# Allegro board MB1219_REVB_160112.brd (continued)
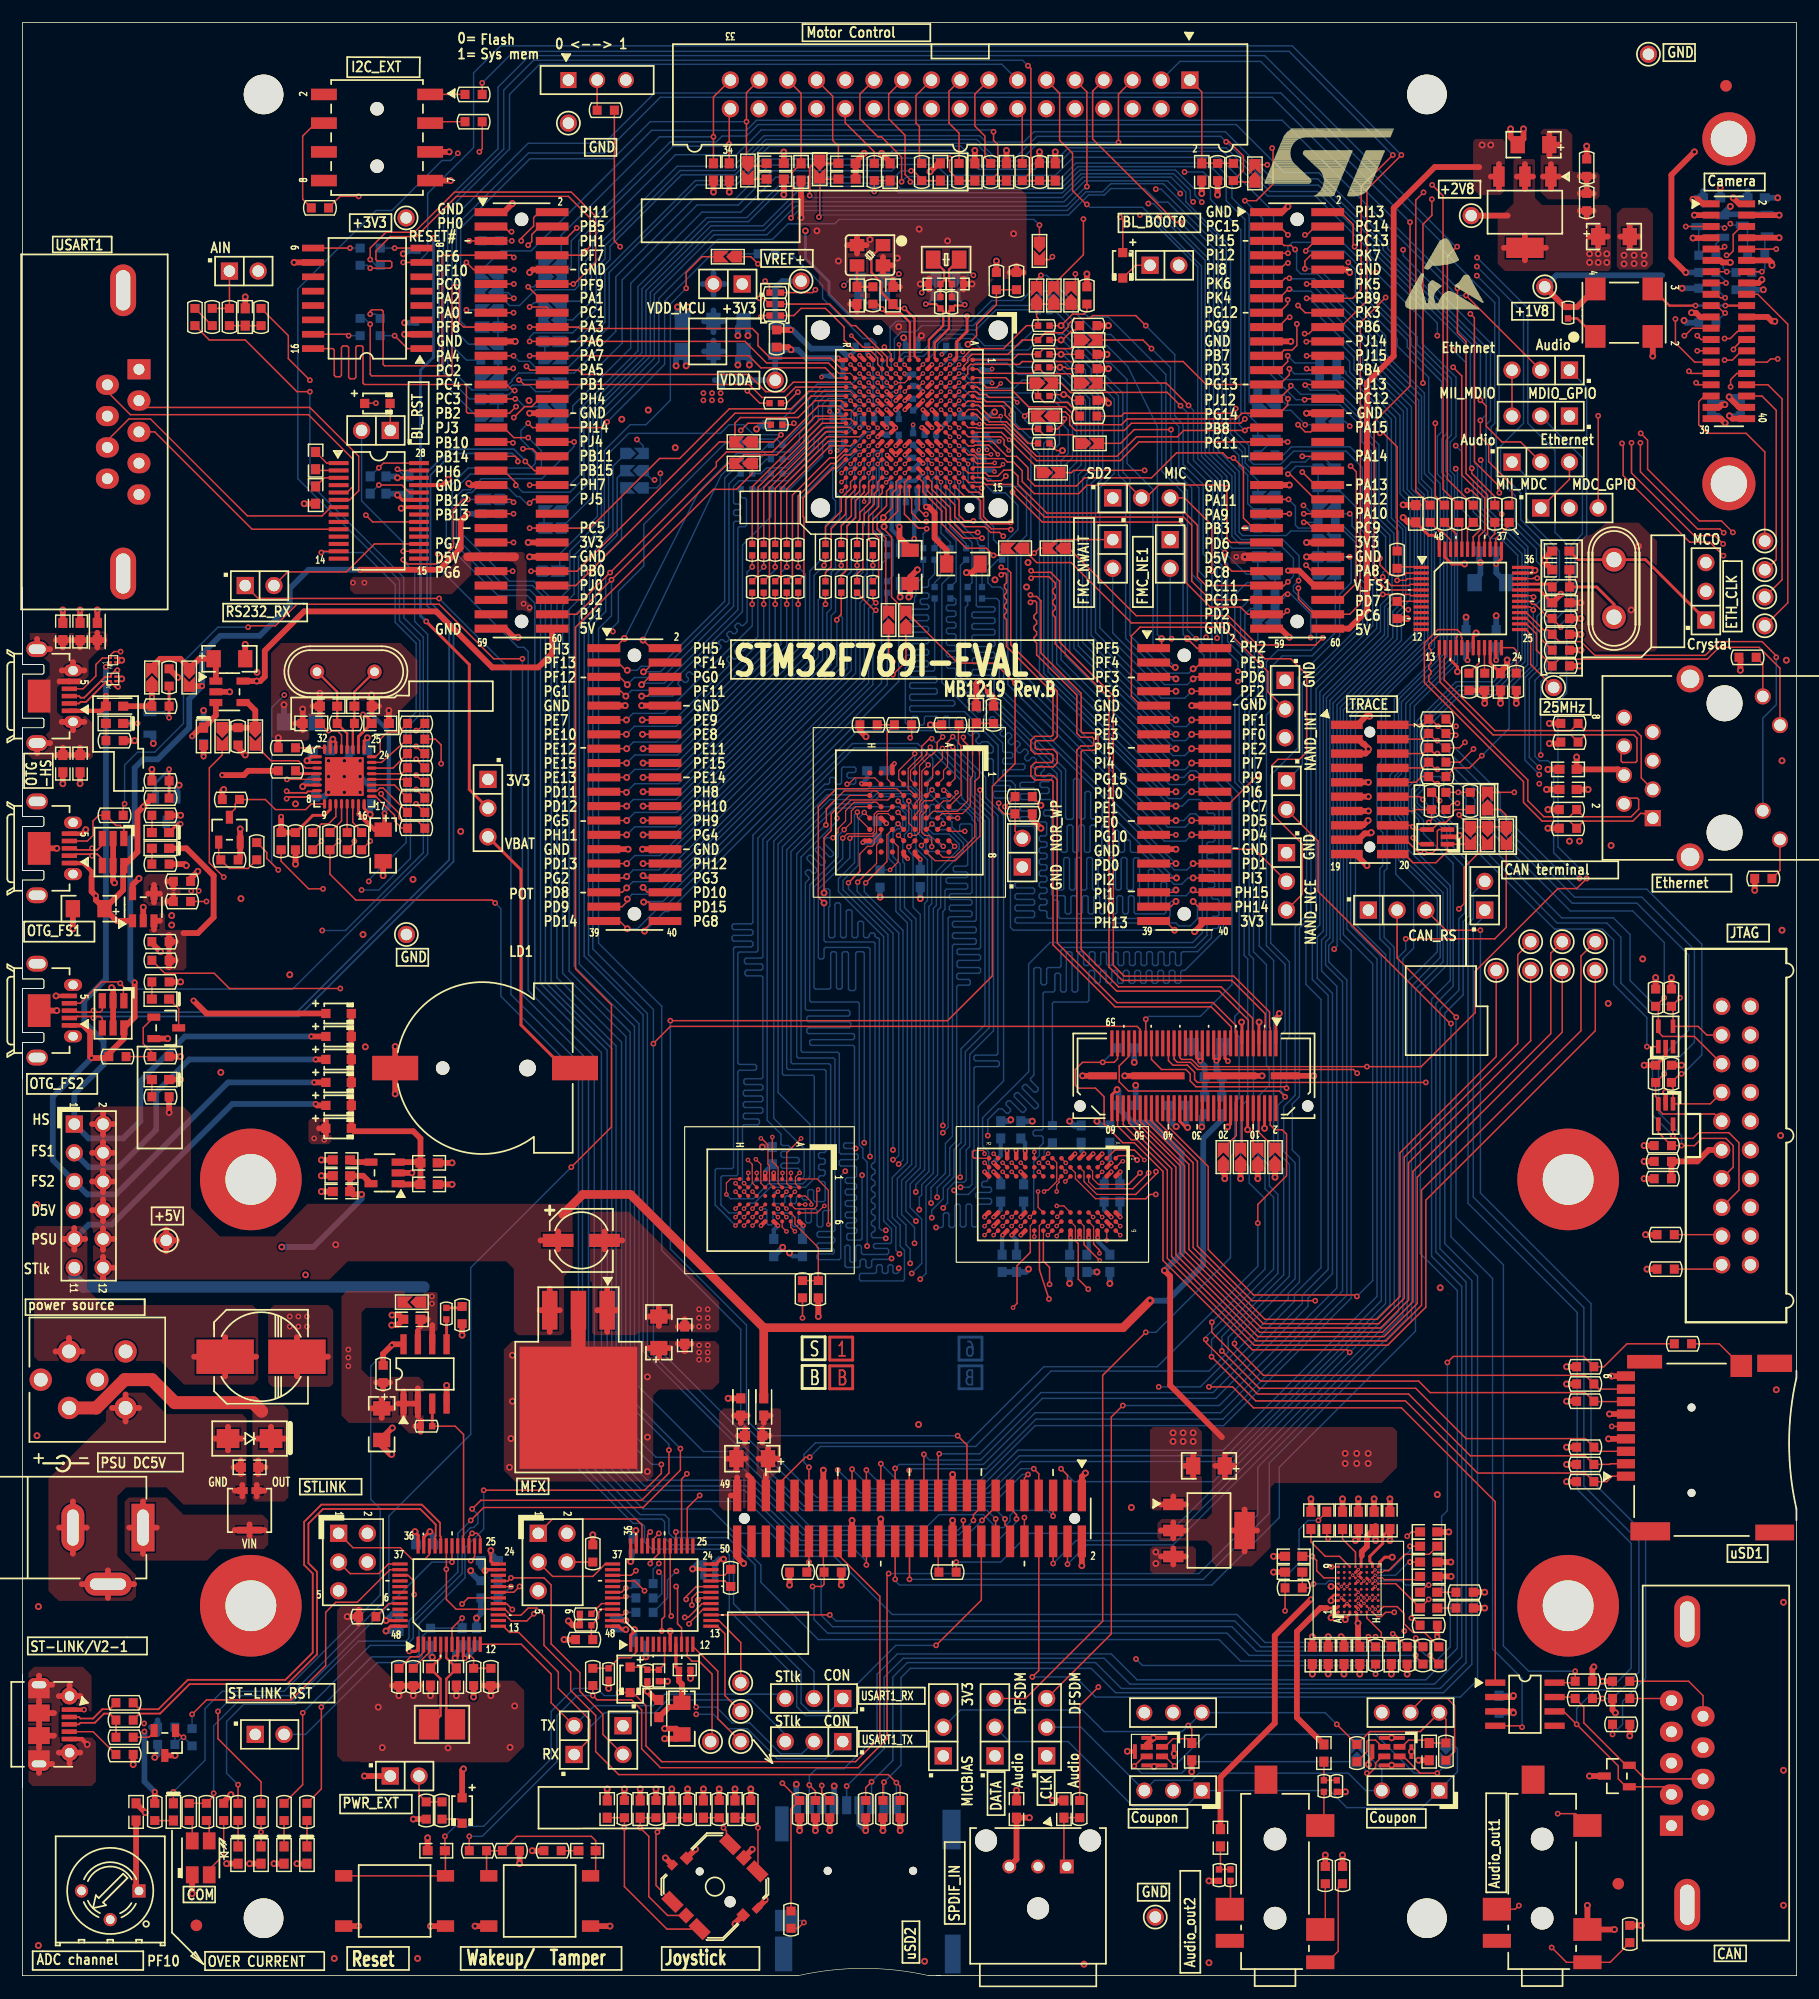
[diagram p0: board, top side]
## Routing (per net, layer and track width the routed paths; a pad name or vN(x,y) marks a point on that pad's centre or on a via; arc(x,y) is an arc through that point) (continued)
PC14: length 7.8
  TOP w0.203: v1(83.31,147.78) 83.24,147.7 82.42,147.7 R23.2 81.92,147.19 81.92,145.67 80.64,144.4 80.64,143.05 U4.E1
  BOTTOM w0.203: SB38.1 83.24,147.78 v1(83.31,147.78)
PC15: length 7.9
  TOP w0.203: U4.F1 80.14,143.01 80.14,144.65 81.41,145.92 81.41,147.19 R22.2 80.77,147.83 v1(79.86,147.83)
  BOTTOM w0.203: SB39.1 80.01,147.83 v1(79.86,147.83)
PD4: length 140.5
  TOP w0.102: v5(72.9,105.37) 73.03,105.37 73.57,105.92 75.36,105.92 U9.G2 ; v3(68.71,70.99) 68.33,70.62 68.33,70.04 U16.A2
  TOP w0.127: v3(82.01,134.49) U4.D11 ; CN11.28 v4(103.38,100.89)
  L4_SIG w0.102: v5(72.9,105.37) 73.49,104.78 77.06,104.78 77.57,104.26 77.8,104.03 77.8,103.68 80.09,101.4 81.48,101.4 82.06,101.98 91.35,101.98 91.46,101.87 91.46,101.19 91.56,101.09 91.76,101.09 91.86,101.19 91.86,101.87 91.96,101.98 98.18,101.98 98.55,101.6 102.67,101.6 v4(103.38,100.89)
  BOTTOM w0.127: v3(82.01,134.49) 82.05,134.49 82.42,134.11 83.82,134.11 84.07,133.86 84.07,132.28 84.33,132.03 84.96,132.03 85.85,131.14 86.89,131.14 88.01,130.02 88.01,127.89 87.12,127 87.12,114.17 100.97,100.33 102.82,100.33 v4(103.38,100.89) ; v5(72.9,105.37) 73.53,105.37 73.66,105.5 73.66,105.79 73.53,105.92 73.03,105.92 72.9,106.05 72.9,106.27 73.03,106.4 73.56,106.4 73.69,106.53 73.69,106.76 73.56,106.88 72.54,106.88 72.42,106.76 72.42,105.5 72.29,105.37 71.99,105.37 71.86,105.5 71.86,105.84 71.73,105.97 71.48,105.97 71.35,105.84 71.35,105.5 71.22,105.37 70.92,105.37 65.84,100.28 65.84,75.64 67.06,74.42 67.06,73.54 67.18,73.42 67.72,73.42 67.84,73.29 67.84,73.04 67.72,72.91 67.18,72.91 67.06,72.78 67.06,72.49 67.18,72.36 68.53,72.36 68.66,72.23 68.66,71.98 68.53,71.85 67.18,71.85 67.06,71.72 67.06,71.53 67.18,71.4 68.58,71.4 68.71,71.27 v3(68.71,70.99)
PD5: length 64.2
  TOP w0.127: CN11.26 v4(103.38,102.16) ; v3(82.81,135.29) U4.C10 ; R105.2 v4(90.04,103.5)
  L4_SIG w0.102: v4(90.04,103.5) 98.42,103.5 99.06,102.87 103.28,102.87 103.38,102.77 v4(103.38,102.16)
  BOTTOM w0.127: v4(103.38,102.16) 102.79,101.57 101.24,101.57 87.88,114.94 87.88,126.49 88.77,127.38 88.77,131.04 88.11,131.7 86.23,131.7 85.55,132.38 84.66,132.38 84.45,132.59 84.45,133.99 83.31,135.13 82.97,135.13 v3(82.81,135.29)
PD7: length 249
  TOP w0.127: CN6.56 116.46,121.67 117.93,123.14 117.93,132.99 v1(117.42,133.5) ; v1(75.06,17.14) 74.55,16.63 R203.2 ; U4.A11 84.06,134.89 84.43,134.52 85.62,134.52 85.63,134.52 v3(85.63,134.53)
  L4_SIG w0.102: v3(85.63,134.53) 85.22,134.12 85.22,132.59 85.67,132.13 87.91,132.13 88.42,131.62 92.74,131.62 95.86,134.75 104.8,134.75 105.23,135.18 107.57,135.18 108.33,134.42 112.29,134.42 112.93,133.78 117.14,133.78 v1(117.42,133.5) 119.25,133.5 121.06,135.31 v1(126.72,135.31)
  BOTTOM w0.127: v1(126.72,135.31) 127.25,134.77 127.25,129.69 129.84,127.1 130.71,127.1 132.21,125.6 132.21,116.59 130.05,114.43 126.75,114.43 123.32,111 123.32,105.41 122.81,104.9 122.81,103.25 123.88,102.18 123.88,100.99 126.49,98.37 126.49,87.5 124.97,85.98 124.97,64.01 127.64,61.34 127.64,27.69 125.35,25.4 97.16,25.4 94.87,27.69 78.23,27.69 76.94,26.4 76.94,19.02 v1(75.06,17.14) CN30.3
PE0: length 150.9
  TOP w0.102: U16.A1 70.26,70.46 71.25,69.47 v3(71.25,66.42) ; v3(89.46,65.35) U15.K9
  TOP w0.127: CN11.25 v4(101.98,102.16) ; v3(86.49,137.92) 86.36,137.79 85.63,137.79 85.25,138.18 85.22,138.18 84.51,138.89 U4.A6
  L4_SIG w0.102: v3(71.25,66.42) 76.45,66.42 76.71,66.17 v1(80.77,66.17) 81.13,66.52 84.18,66.52 84.7,67.05 84.7,67.24 84.91,67.44 87.61,67.44 87.81,67.24 87.81,67 88.17,66.64 88.57,66.64 88.7,66.52 88.7,66.07 88.82,65.94 90.02,65.94 90.14,65.81 90.14,64.54 90.02,64.41 89.59,64.41 89.46,64.54 v3(89.46,65.35)
  BOTTOM w0.127: v3(86.49,137.92) 86.49,137.47 89.15,134.8 89.15,127.13 88.27,126.24 88.27,115.32 101.42,102.16 v4(101.98,102.16) 102.67,102.16 103.25,102.74 103.73,102.74 104.32,102.16 104.32,92.23 103.45,91.36 90.86,91.36 88.96,89.47 88.96,79.94 84.89,75.87 84.89,73.38 85.43,72.84 85.43,72.54 85.34,72.45 85.34,72.12 85.43,72.04 85.43,71.74 85.34,71.65 85.34,71.32 85.43,71.24 85.43,70.94 85.34,70.85 85.34,70.36 85.22,70.24 84.94,70.24 84.81,70.11 84.81,69.85 84.94,69.73 85.55,69.73 85.67,69.6 85.67,69.39 85.55,69.27 84.43,69.27 84.3,69.14 84.3,68.86 84.43,68.73 85.55,68.73 85.67,68.61 85.67,68.35 85.55,68.22 84.56,68.22 84.43,68.1 84.43,66.34 84.31,66.22 84.05,66.22 83.93,66.34 83.93,68.1 83.8,68.22 83.54,68.22 83.42,68.1 83.42,66.34 83.29,66.22 83.04,66.22 82.91,66.34 82.91,68.1 82.78,68.22 82.55,68.22 82.42,68.1 82.42,66.29 82.3,66.17 82.04,66.17 81.92,66.29 81.92,67.34 81.79,67.46 81.54,67.46 81.41,67.34 81.41,66.29 81.28,66.17 v1(80.77,66.17)
PE1: length 158.8
  TOP w0.102: 67.94,73.15 67.56,72.77 67.56,70.06 U16.B2 ; v3(89.46,72.85) U15.K1
  TOP w0.127: CN11.23 v4(101.98,103.43) ; v3(87.38,138.05) 87.37,138.05 87.37,138.56 86.74,139.19 85.22,139.19 84.96,139.45 84.43,139.45 84.19,139.69 U4.A5 ; v3(68.83,74.04) 67.94,73.15
  L4_SIG w0.102: v3(68.83,74.04) 68.91,74.12 85.17,74.12 v1(85.34,74.3) 85.34,74.27 85.47,74.14 86.46,74.14 86.59,74.02 86.59,73.56 86.69,73.46 86.89,73.46 86.99,73.56 86.99,74.19 87.12,74.32 87.33,74.32 87.45,74.19 87.45,72.44 87.58,72.31 88.11,72.31 88.24,72.44 88.24,74.3 88.37,74.42 89.44,74.42 89.56,74.3 89.56,74.13 89.44,74.02 88.7,74.02 88.57,73.89 88.57,73.71 88.7,73.58 89.46,73.58 89.59,73.46 89.59,73.36 89.46,73.23 89.15,73.23 89.03,73.1 89.03,72.72 88.9,72.59 88.69,72.59 88.57,72.47 88.57,72.31 88.69,72.19 88.98,72.19 89.1,72.07 89.1,71.9 88.98,71.78 88.77,71.78 88.65,71.65 88.65,71.5 88.77,71.37 88.9,71.37 89.03,71.25 89.03,71.09 88.9,70.97 88.67,70.97 88.54,70.84 88.54,70.71 88.67,70.59 89.33,70.59 89.46,70.71 v3(89.46,72.85)
  BOTTOM w0.127: v3(87.38,138.05) 87.38,137.16 89.92,134.62 89.92,115 101.21,103.71 101.46,103.71 101.74,103.43 v4(101.98,103.43) 102.54,103.43 103.12,104.01 104.09,104.01 104.72,103.38 104.72,102.93 104.85,102.8 105.28,102.8 105.41,102.67 105.41,102.42 105.28,102.29 104.85,102.29 104.72,102.16 104.72,101.91 104.85,101.78 105.28,101.78 105.41,101.66 105.41,101.4 105.28,101.28 104.85,101.28 104.72,101.15 104.72,100.89 104.85,100.77 105.28,100.77 105.41,100.64 105.41,100.39 105.28,100.26 104.85,100.26 104.72,100.13 104.72,99.88 104.85,99.75 105.28,99.75 105.41,99.62 105.41,99.37 105.28,99.24 104.85,99.24 104.72,99.12 104.72,98.86 104.85,98.74 105.28,98.74 105.41,98.61 105.41,98.35 105.28,98.23 104.85,98.23 104.72,98.1 104.72,97.85 104.85,97.72 105.28,97.72 105.41,97.59 105.41,97.34 105.28,97.21 104.85,97.21 104.72,97.08 104.72,96.83 104.85,96.7 105.28,96.7 105.41,96.58 105.41,96.32 105.28,96.2 104.85,96.2 104.72,96.07 104.72,92 103.66,90.93 92.08,90.93 91.82,90.68 91.82,89.28 91.69,89.15 90.68,89.15 90.55,89.03 90.55,87.76 90.42,87.63 90.17,87.63 90.04,87.76 90.04,89.03 89.91,89.15 89.54,89.15 89.42,89.03 89.42,79.64 89.13,79.35 89.13,79.17 89.8,78.5 89.8,78.32 89.62,78.14 89.44,78.14 88.77,78.81 88.59,78.81 88.41,78.63 88.41,78.45 89.82,77.04 89.82,76.86 89.64,76.68 89.46,76.68 88.05,78.09 87.87,78.09 87.69,77.91 87.69,77.73 88.7,76.72 88.7,76.54 88.52,76.36 88.34,76.36 87.33,77.37 87.15,77.37 86.97,77.19 86.97,77.01 87.35,76.63 87.35,76.45 87.17,76.27 86.99,76.27 86.61,76.65 86.3,76.65 85.34,75.69 v1(85.34,74.3)
PF6: length 52.9
  TOP w0.127: v1(43.43,151.96) 43.42,151.96 43.23,152.15 CN5.7 37.21,152.15 37.08,152.02 37.08,142.49 36.96,142.37 32,142.37 31.88,142.49 31.88,147.19 31.75,147.32 30.86,147.32 30.73,147.19 v1(30.73,146.94) ; R24.2 65.53,148.34 v1(65.15,148.34)
  L4_SIG w0.102: v1(43.43,151.96) 43.45,151.94 48.97,151.94 50.04,150.88 58.04,150.88 60.58,148.34 v1(65.15,148.34)
  BOTTOM w0.127: v1(30.73,146.94) 31.24,146.94 R241.2
PF7: length 51.7
  TOP w0.127: CN5.8 49.4,152.15 v1(49.78,152.53) 50.16,152.91 50.16,155.45 48.26,157.35 38.35,157.35 34.8,153.8 32.51,153.8 31.24,152.53 31.24,151.76 31.37,151.64 32.51,151.64 32.64,151.51 32.64,151.13 32.51,151 v1(30.73,151) ; R19.2 66.04,149.48 v1(65.66,149.86)
  L4_SIG w0.102: v1(49.78,152.53) 51.31,152.53 52.32,151.51 64.01,151.51 v1(65.66,149.86)
  BOTTOM w0.127: v1(30.73,151) 30.48,151.26 R232.1
PF8: length 55
  TOP w0.127: R41.2 65.18,139.06 v1(64.08,140.16) ; v1(30.73,146.05) 30.73,141.6 30.86,141.48 37.85,141.48 37.97,141.6 37.97,149.4 38.1,149.53 38.48,149.53 38.61,149.4 38.61,146.18 38.99,145.8 CN5.17 v1(43.41,145.8)
  L4_SIG w0.102: v1(43.41,145.8) 44.04,145.16 49.71,145.16 51.36,143.51 60.73,143.51 v1(64.08,140.16)
  BOTTOM w0.127: v1(30.73,146.05) 30.23,146.56 R242.1
PF9: length 52.3
  TOP w0.127: CN5.12 v1(48.69,149.61) 48.77,149.61 50.67,151.51 50.67,155.57 48.51,157.73 38.2,157.73 34.64,154.18 32.13,154.18 30.73,152.78 v1(30.73,151.76) ; v1(65.28,146.69) 65.41,146.81 R26.2
  L4_SIG w0.102: v1(48.69,149.61) 49.07,149.22 51.69,149.22 54.23,146.69 v1(65.28,146.69)
  BOTTOM w0.127: v1(30.73,151.76) 31.24,151.26 R231.2
PF10: length 67.1
  TOP w0.127: v1(25.4,141.1) 23.5,143 23.5,145.03 R30.2 ; v1(43.43,150.88) CN5.9 39.88,150.88 v1(39.24,151.51) ; U4.L1 76.01,143.19 75.18,144.02 74.3,144.02 v3(73.28,145.03)
  L4_SIG w0.102: v1(39.24,151.51) 37.34,151.51 28.45,142.62 26.92,142.62 v1(25.4,141.1) ; v3(73.28,145.03) 70.87,147.45 60.2,147.45 59.18,148.46 58.04,148.46 56.26,150.24 49.53,150.24 48.51,151.26 43.81,151.26 v1(43.43,150.88)
PF11: length 119.3
  TOP w0.102: 90.26,65.01 U15.J9
  TOP w0.127: v4(54.74,113.16) 55.24,113.16 55.68,113.59 CN10.8 ; R52.2 v1(64.52,124.59) ; v1(90.81,61.14) 90.81,62.64 90.26,63.18 90.26,65.01
  L4_SIG w0.102: v1(90.81,61.14) 90.63,61.14 89.03,59.54 66.47,59.54 55.37,70.64 55.37,80.29 51.31,84.35 51.31,111.84 53.14,113.67 53.85,113.67 54.36,113.16 v4(54.74,113.16)
  BOTTOM w0.127: v4(54.74,113.16) 57.48,113.16 58.15,113.83 58.15,114.01 57.97,114.2 57.97,114.38 58.15,114.56 58.33,114.56 58.51,114.37 58.69,114.37 58.87,114.55 58.87,114.73 58.68,114.92 58.68,115.1 58.86,115.28 59.04,115.28 59.23,115.09 59.41,115.09 59.59,115.27 59.59,115.45 59.4,115.64 59.4,115.82 59.58,116 59.76,116 59.95,115.81 60.13,115.81 60.31,115.99 60.31,116.17 60.12,116.36 60.12,116.54 60.3,116.72 60.48,116.72 60.67,116.53 60.85,116.53 61.03,116.71 61.03,116.89 60.84,117.07 60.84,117.25 61.02,117.43 61.2,117.43 61.39,117.25 61.57,117.25 61.75,117.43 61.75,117.61 61.56,117.79 61.56,117.97 61.74,118.15 61.92,118.15 62.11,117.96 62.29,117.96 62.47,118.14 62.47,118.32 62.28,118.51 62.28,118.69 62.46,118.87 62.64,118.87 62.83,118.68 63.01,118.68 63.19,118.86 63.19,119.04 63,119.23 63,119.41 63.18,119.59 63.36,119.59 63.55,119.4 63.73,119.4 64.06,119.74 64.06,124.13 v1(64.52,124.59)
PG7: length 53.2
  TOP w0.127: SB19.1 76.33,120.9 76.33,127.13 75.56,127.89 75.56,128.4 v4(76.11,128.94) 76.11,129.04 76.91,129.84 76.91,131.11 77.24,131.44 77.24,132.12 U4.J14 ; CN5.47 v1(43.41,126.75)
  L4_SIG w0.102: v1(43.41,126.75) 43.92,126.24 44.86,126.24 45.62,125.48 61.98,125.48 64.01,123.44 73.53,123.44 74.3,124.21 74.3,127.13 75.82,128.65 v4(76.11,128.94)
PG8: length 129.8
  TOP w0.102: v3(90.68,72.71) U15.J1
  TOP w0.127: CN10.40 55.76,93.27 54.99,92.5 v4(54.99,92.38)
  L4_SIG w0.102: v3(90.68,72.71) 90.68,92.2 90.5,92.38 88.41,92.38 88.3,92.27 88.3,92.02 88.2,91.92 88,91.92 87.9,92.02 87.9,92.27 87.8,92.38 87.59,92.38 87.49,92.27 87.49,92.02 87.39,91.92 87.19,91.92 87.08,92.02 87.08,92.27 86.98,92.38 86.78,92.38 86.68,92.27 86.68,92.02 86.58,91.92 86.37,91.92 86.27,92.02 86.27,92.27 86.17,92.38 85.97,92.38 85.87,92.27 85.87,92.02 85.76,91.92 85.56,91.92 85.46,92.02 85.46,92.27 85.36,92.38 85.15,92.38 85.05,92.27 85.05,92.02 84.95,91.92 84.75,91.92 84.65,92.02 84.65,92.27 84.54,92.38 84.34,92.38 84.24,92.27 84.24,92.02 84.14,91.92 83.94,91.92 83.83,92.02 83.83,92.27 83.73,92.38 83.53,92.38 83.43,92.27 83.43,92.02 83.33,91.92 83.12,91.92 83.02,92.02 83.02,92.27 82.92,92.38 82.72,92.38 82.61,92.27 82.61,92.02 82.51,91.92 82.31,91.92 82.21,92.02 82.21,92.27 82.11,92.38 81.9,92.38 81.8,92.27 81.8,92.02 81.7,91.92 81.5,91.92 81.4,92.02 81.4,92.27 81.29,92.38 81.09,92.38 80.99,92.27 80.99,92.02 80.89,91.92 80.68,91.92 80.58,92.02 80.58,92.27 80.48,92.38 80.28,92.38 80.18,92.27 80.18,92.02 80.07,91.92 79.87,91.92 79.77,92.02 79.77,92.27 79.67,92.38 79.46,92.38 79.36,92.27 79.36,92.02 79.26,91.92 79.06,91.92 78.96,92.02 78.96,92.27 78.86,92.38 78.65,92.38 78.55,92.27 78.55,92.02 78.45,91.92 78.25,91.92 78.14,92.02 78.14,92.27 78.04,92.38 77.84,92.38 77.74,92.27 77.74,92.02 77.64,91.92 77.43,91.92 77.33,92.02 77.33,92.27 77.23,92.38 77.03,92.38 76.92,92.27 76.92,92.02 76.82,91.92 76.62,91.92 76.52,92.02 76.52,92.27 76.42,92.38 76.21,92.38 76.11,92.27 76.11,92.02 76.01,91.92 75.81,91.92 75.71,92.02 75.71,92.27 75.6,92.38 75.4,92.38 75.3,92.27 75.3,92.02 75.2,91.92 74.99,91.92 74.89,92.02 74.89,92.27 74.79,92.38 74.59,92.38 74.49,92.27 74.49,92.02 74.38,91.92 74.18,91.92 74.08,92.02 74.08,92.27 73.98,92.38 73.78,92.38 73.67,92.27 73.67,92.02 73.57,91.92 73.37,91.92 73.27,92.02 73.27,92.27 73.17,92.38 72.96,92.38 72.86,92.27 72.86,92.02 72.76,91.92 72.56,91.92 72.45,92.02 72.45,92.27 72.35,92.38 72.15,92.38 72.05,92.27 72.05,92.02 71.95,91.92 71.74,91.92 71.64,92.02 71.64,92.27 71.54,92.38 71.34,92.38 71.24,92.27 71.24,92.02 71.13,91.92 70.93,91.92 70.83,92.02 70.83,92.27 70.73,92.38 70.52,92.38 70.42,92.27 70.42,92.02 70.32,91.92 70.12,91.92 70.02,92.02 70.02,92.27 69.91,92.38 69.71,92.38 69.61,92.27 69.61,92.02 69.51,91.92 69.3,91.92 69.2,92.02 69.2,92.27 69.1,92.38 68.9,92.38 68.8,92.27 68.8,92.02 68.7,91.92 68.49,91.92 68.39,92.02 68.39,92.27 68.29,92.38 68.09,92.38 67.98,92.27 67.98,92.02 67.88,91.92 67.68,91.92 67.58,92.02 67.58,92.27 67.48,92.38 67.27,92.38 67.17,92.27 67.17,92.02 67.07,91.92 66.87,91.92 66.76,92.02 66.76,92.27 66.66,92.38 66.46,92.38 66.36,92.27 66.36,92.02 66.26,91.92 66.05,91.92 65.95,92.02 65.95,92.27 65.85,92.38 65.65,92.38 65.55,92.27 65.55,92.02 65.44,91.92 65.24,91.92 65.14,92.02 65.14,92.27 65.04,92.38 64.83,92.38 64.73,92.27 64.73,92.02 64.63,91.92 64.43,91.92 64.33,92.02 64.33,92.27 64.22,92.38 64.02,92.38 63.92,92.27 63.92,92.02 63.82,91.92 63.62,91.92 63.51,92.02 63.51,92.27 63.41,92.38 63.21,92.38 63.11,92.27 63.11,92.02 63.01,91.92 62.8,91.92 62.7,92.02 62.7,92.27 62.6,92.38 62.4,92.38 62.29,92.27 62.29,92.02 62.19,91.92 61.99,91.92 61.89,92.02 61.89,92.27 61.79,92.38 61.58,92.38 61.48,92.27 61.48,92.02 61.38,91.92 61.18,91.92 61.08,92.02 61.08,92.27 60.97,92.38 60.77,92.38 60.67,92.27 60.67,92.02 60.57,91.92 60.36,91.92 60.26,92.02 60.26,92.27 60.16,92.38 59.96,92.38 59.86,92.27 59.86,92.02 59.75,91.92 59.55,91.92 59.45,92.02 59.45,92.27 59.35,92.38 59.14,92.38 59.04,92.27 59.04,92.02 58.94,91.92 58.74,91.92 58.64,92.02 58.64,92.27 58.54,92.38 58.33,92.38 58.23,92.27 58.23,92.02 58.13,91.92 57.93,91.92 57.82,92.02 57.82,92.27 57.72,92.38 57.52,92.38 57.42,92.27 57.42,92.02 57.32,91.92 57.11,91.92 57.01,92.02 57.01,92.27 56.91,92.38 56.71,92.38 56.6,92.27 56.6,91.91 56.49,91.8 56.32,91.8 56.2,91.91 56.2,92.27 56.1,92.38 55.91,92.38 55.78,92.25 55.78,91.95 55.7,91.87 55.42,91.87 55.35,91.95 55.35,92.25 55.22,92.38 v4(54.99,92.38)
  BOTTOM w0.127: R277.2 79.63,123.73 78.99,123.09 78.99,122.07 78.87,121.94 78.87,121.48 78.74,121.35 77.6,121.35 77.47,121.22 77.47,114.47 57.11,94.11 56.77,94.11 55.04,92.38 v4(54.99,92.38)
PG9: length 283.5
  TOP w0.127: R172.2 v1(119.63,26.67) ; CN15.37 101.82,81.06 102.11,80.77 103.25,80.77 103.89,80.14 117.68,80.14 v1(118.01,79.81) ; CN6.17 111.02,145.8 111.89,146.66 v1(112.04,146.66) ; v1(70.67,16.82) 70.67,16.2 R202.2 ; v3(82.01,136.09) U4.D9
  L4_SIG w0.102: v1(70.67,16.82) 71.48,16 78.61,16 79.88,17.27 79.88,22.99 80.22,23.32 93.77,23.32 v1(98.45,28) 98.62,28 105.28,34.67 111.51,34.67 113.03,36.2 113.03,47.5 115.57,50.04 115.57,59.41 118.01,61.85 v1(118.01,79.81) 118.01,85.6 126.49,94.08 126.49,94.56 127.71,95.78 129.82,95.78 133.3,99.26 133.3,105.41 v1(134.11,106.22) ; v1(128.59,150.34) 120.75,150.34 117.07,146.66 v1(112.04,146.66) 109.45,146.66 107.31,144.53 96.14,144.53 91.95,140.34 90.68,140.34 89.99,139.65 87.73,139.65 87,138.91 87,137.44 86.89,137.34 86,137.34 84.99,136.32 83.29,136.32 83.16,136.45 82.37,136.45 v3(82.01,136.09)
  BOTTOM w0.127: v1(98.45,28) 99.02,27.43 118.87,27.43 v1(119.63,26.67) ; v1(128.59,150.34) 130.56,148.37 130.56,137.03 130.3,136.78 130.3,132.56 131.98,130.89 131.98,128.63 135.25,125.35 135.25,124.21 134.75,123.7 134.75,121.06 133.91,120.22 133.91,115.87 132.84,114.81 132.84,107.5 133.93,106.41 133.93,106.41 v1(134.11,106.22) ; CN30.7 v1(70.67,16.82)
PG10: length 246.2
  TOP w0.127: v1(69.57,16.86) 70.1,16.32 R201.2 ; U4.C8 v3(82.81,136.89)
  L4_SIG w0.102: v3(82.81,136.89) 83.1,136.89 83.46,136.53 84.81,136.53 85.39,137.11 85.39,138.51 85.86,138.98 86.53,138.98 87.73,140.18 89.59,140.18 90.53,141.12 91.95,141.12 95.73,144.91 107.19,144.91 109.47,147.19 115.7,147.19 119.13,150.62 v1(119.63,150.62)
  BOTTOM w0.127: CN30.8 v1(69.57,16.86) 69.57,17.67 70.19,18.3 72.62,18.3 75.55,21.23 75.55,26.65 77.34,28.45 96.27,28.45 98.55,26.16 124.08,26.16 126.86,28.94 126.86,60.59 123.6,63.86 123.6,87.02 125.98,89.41 125.98,96.11 122.43,99.67 122.43,102.74 122.17,103 122.17,105.28 122.68,105.79 122.68,112.39 126.62,116.33 126.62,132.69 126.24,133.07 126.24,135.61 126.75,136.12 126.75,141.35 123.76,144.34 123.76,146.49 v1(119.63,150.62)
PG11: length 34
  TOP w0.127: U4.B8 83.59,136.91 84.34,136.91 84.42,136.83 84.89,136.83 84.93,136.87 86.78,136.87 89.66,133.99 97.05,133.99 98.7,135.64 CN6.33 v1(111.86,135.64)
  BOTTOM w0.127: R256.1 110.49,135.76 SB57.1 111.73,135.76 v1(111.86,135.64)
PG12: length 218.1
  TOP w0.127: R206.1 93.47,23.88 v1(95.12,25.53) ; v1(111.86,148.21) 111.86,147.83 111.1,147.07 CN6.15 ; U4.C7 v3(82.01,138.49)
  L4_SIG w0.102: v1(134.11,106.86) 132.87,105.61 132.87,101.85 125.98,94.97 125.98,94.11 117.45,85.57 117.45,61.7 115.19,59.44 115.19,50.2 112.65,47.66 112.65,36.32 111.38,35.05 105.05,35.05 98.51,28.51 98.23,28.51 95.25,25.53 v1(95.12,25.53) ; v1(128.59,151.16) 118.64,151.16 115.21,147.73 113.49,147.73 113,148.21 v1(111.86,148.21) 109.07,148.21 107.29,146.43 95.76,146.43 92.08,142.75 91.19,142.75 89.28,140.84 87.25,140.84 86.61,140.21 85.09,140.21 82.93,138.05 82.45,138.05 v3(82.01,138.49)
  BOTTOM w0.127: v1(128.59,151.16) 132.72,147.03 132.72,137.29 130.68,135.25 130.68,132.89 132.47,131.1 132.47,128.77 135.64,125.6 135.64,123.83 135.2,123.39 135.2,120.9 134.24,119.94 134.24,115.7 133.22,114.68 133.22,107.75 v1(134.11,106.86)
PG13: length 34.5
  TOP w0.127: v1(112.01,142.11) 112.01,141.58 111.15,140.72 CN6.25 104.65,140.72 102.62,142.75 88.39,142.75 88.14,142.49 83.82,142.49 83.58,142.25 83.58,141.66 U4.B3
  BOTTOM w0.127: R248.1 114.38,141.66 112.47,141.66 v1(112.01,142.11)
PG14: length 32.3
  TOP w0.127: U4.A4 84.43,140.49 84.72,140.2 87.52,140.2 88.96,138.75 92.21,138.75 92.84,138.13 92.84,137.41 93.09,137.16 97.16,137.16 97.66,137.67 107.31,137.67 107.82,138.18 CN6.29 111.15,138.18 111.86,138.89 111.86,139.42 v1(111.89,139.45)
  BOTTOM w0.127: v1(111.89,139.45) 111.51,139.83 111,139.83 R249.1
PG15: length 128.5
  TOP w0.102: v3(89.06,67.09) U15.K7
  TOP w0.127: v4(91.95,134.87) 91.44,134.87 R45.2 ; CN11.19 v4(101.98,105.97)
  BOTTOM w0.127: v3(89.06,67.09) 89.41,67.44 89.41,72.01 89.92,72.52 89.92,73.28 90.23,73.6 90.23,74.14 90.11,74.26 89.48,74.26 89.36,74.39 89.36,74.65 89.48,74.77 90.11,74.77 90.23,74.9 90.23,86.87 90.36,87 91.14,87 91.27,87.12 91.27,88.52 91.4,88.65 91.65,88.65 91.78,88.52 91.78,87.12 91.91,87 92.16,87 92.29,87.12 92.29,90.42 92.41,90.55 92.67,90.55 92.79,90.42 92.79,87.12 92.92,87 93.18,87 93.3,87.12 93.3,90.42 93.43,90.55 93.68,90.55 93.81,90.42 93.81,89.46 93.94,89.33 94.19,89.33 94.32,89.46 94.32,90.42 94.45,90.55 94.7,90.55 94.83,90.42 94.83,89.46 94.95,89.33 95.21,89.33 95.33,89.46 95.33,90.42 95.46,90.55 95.72,90.55 95.84,90.42 95.84,89.46 95.97,89.33 96.22,89.33 96.35,89.46 96.35,90.42 96.48,90.55 96.73,90.55 96.86,90.42 96.86,89.46 96.99,89.33 97.24,89.33 97.37,89.46 97.37,90.42 97.49,90.55 97.75,90.55 97.87,90.42 97.87,89.46 98,89.33 98.26,89.33 98.38,89.46 98.38,90.42 98.51,90.55 98.76,90.55 98.89,90.42 98.89,89.46 99.02,89.33 99.27,89.33 99.4,89.46 99.4,90.42 99.53,90.55 99.78,90.55 99.91,90.42 99.91,89.46 100.03,89.33 100.29,89.33 100.41,89.46 100.41,90.42 100.54,90.55 100.8,90.55 100.92,90.42 100.92,89.46 101.05,89.33 101.3,89.33 101.43,89.46 101.43,90.42 101.56,90.55 101.81,90.55 101.94,90.42 101.94,89.46 102.07,89.33 102.32,89.33 102.45,89.46 102.45,90.42 102.57,90.55 103.88,90.55 105.13,91.8 105.13,92.48 105.26,92.61 105.64,92.61 105.77,92.73 105.77,92.99 105.64,93.11 105.26,93.11 105.13,93.24 105.13,93.56 105.26,93.69 105.66,93.69 105.79,93.81 105.79,94.07 105.66,94.19 105.26,94.19 105.13,94.32 105.13,94.58 105.26,94.7 105.66,94.7 105.79,94.83 105.79,95.08 105.66,95.21 105.26,95.21 105.13,95.34 105.13,95.59 105.26,95.72 105.66,95.72 105.79,95.85 105.79,103.25 104.01,105.03 104.01,106.3 103.76,106.55 103.25,106.55 102.67,105.97 v4(101.98,105.97) 101.5,105.97 91.44,116.03 91.44,134.37 v4(91.95,134.87)
PH0: length 14.9
  TOP w0.203: X1.1 75.06,152.02 75.06,150.62 75.95,149.73 75.95,148.84 C23.1 77.34,147.45 v1(77.98,147.45) 78.87,146.56 78.87,143.23 U4.G1
  BOTTOM w0.203: SB40.1 77.34,147.45 v1(77.98,147.45)
PH1: length 9.7
  TOP w0.203: R20.1 75.56,147.83 v1(76,147.4) 76.4,146.99 77.67,146.99 78.46,146.2 78.46,142.94 U4.H1
  BOTTOM w0.203: SB41.1 75.23,147.4 v1(76,147.4)
PH2: length 134
  TOP w0.127: v4(103,118.24) 103.84,117.4 CN11.2 ; v3(76.41,140.89) U4.K4
  BOTTOM w0.127: v3(76.41,140.89) 76.41,141.09 75.98,141.52 75.98,141.84 75.98,142.53 76.71,143.26 76.71,145.77 77.25,146.32 83.86,146.32 85.69,148.15 88.33,148.15 89.15,148.97 91.19,148.97 95.01,145.15 96.22,145.15 100.71,140.65 100.71,137.48 100.72,137.46 100.72,133.06 102.62,131.16 102.62,118.62 v4(103,118.24) 104.46,116.78 104.46,105.35 106.17,103.63 106.17,92.3 102.77,88.9 102.53,88.9 102.41,88.77 102.41,87.88 102.28,87.76 102.03,87.76 101.9,87.88 101.9,88.77 101.77,88.9 101.52,88.9 101.39,88.77 101.39,87.88 101.26,87.76 101.01,87.76 100.88,87.88 100.88,88.77 100.76,88.9 100.5,88.9 100.37,88.77 100.37,87.88 100.25,87.76 99.99,87.76 99.87,87.88 99.87,88.77 99.74,88.9 99.49,88.9 99.36,88.77 99.36,87.88 99.23,87.76 98.98,87.76 98.85,87.88 98.85,88.77 98.72,88.9 98.47,88.9 98.34,88.77 98.34,87.88 98.22,87.76 97.96,87.76 97.83,87.88 97.83,88.77 97.71,88.9 97.45,88.9 97.33,88.77 97.33,87.88 97.2,87.76 96.95,87.76 96.82,87.88 96.82,88.77 96.69,88.9 96.44,88.9 96.31,88.77 96.31,87.88 96.18,87.76 95.93,87.76 95.8,87.88 95.8,88.77 95.68,88.9 95.42,88.9 95.29,88.77 95.29,87.88 95.17,87.76 94.91,87.76 94.79,87.88 94.79,88.77 94.66,88.9 94.41,88.9 94.28,88.77 94.28,86.23 94.15,86.11 91.19,86.11 91.06,85.98 R291.2
PH3: length 123.5
  TOP w0.102: U15.J8 89.9,66.33 89.9,65.02 89.92,65.01
  TOP w0.127: v1(90.75,59.84) 89.92,62.41 89.92,65.01 ; v4(53.21,118.26) 52.35,117.4 CN10.1
  L4_SIG w0.102: v1(90.75,59.84) 89.51,58.6 86.79,58.6 86.56,58.83 66.12,58.83 54.66,70.28 54.66,79.93 50.67,83.92 50.67,112.09 v4(53.21,118.26)
  BOTTOM w0.127: v4(53.21,118.26) 59.82,131.29 63.14,134.62 65.15,134.62 65.91,135.38 R255.1
PH4: length 112.1
  TOP w0.127: v1(43.43,137.79) 44.4,138.76 45.01,138.76 45.69,139.45 CN5.28 ; R121.2 v1(26.42,100.33) ; U4.H4 v3(78.01,140.09)
  L4_SIG w0.102: v1(26.42,100.33) 26.92,99.82 32.46,99.82 33.05,100.41 33.05,101.46 33.15,101.56 33.92,101.56 34.04,101.68 34.04,101.85 33.92,101.97 33.15,101.97 33.05,102.07 33.05,102.28 33.15,102.38 34.04,102.38 34.16,102.5 34.16,102.67 34.04,102.78 33.15,102.78 33.05,102.89 33.05,103.09 33.15,103.19 33.86,103.19 33.96,103.29 33.96,103.5 33.86,103.6 33.15,103.6 33.05,103.7 33.05,103.9 33.15,104 33.86,104 33.96,104.1 33.96,104.31 33.86,104.41 33.15,104.41 33.05,104.51 33.05,104.74 33.15,104.84 33.91,104.84 34.01,104.94 34.01,105.15 33.91,105.25 33.15,105.25 33.05,105.35 33.05,105.55 33.15,105.65 33.91,105.65 34.01,105.76 34.01,105.96 33.91,106.06 33.15,106.06 33.05,106.16 33.05,106.37 33.15,106.47 33.91,106.47 34.01,106.57 34.01,106.77 33.91,106.87 33.15,106.87 33.05,106.98 33.05,107.18 33.15,107.28 33.91,107.28 34.01,107.38 34.01,107.58 33.91,107.69 33.15,107.69 33.05,107.79 33.05,108.08 33.17,108.2 34.9,108.2 38.86,112.17 38.86,138 39.04,138.18 43.05,138.18 v1(43.43,137.79) 43.48,137.74 43.48,136.91 43.74,136.65 54.23,136.65 56.77,134.11 66.5,134.11 68.17,135.79 70.31,135.79 70.92,136.4 72.9,136.4 73.79,137.29 76.11,137.29 76.61,137.79 77.01,137.79 77.62,138.4 77.62,139.7 v3(78.01,140.09)
PH5: length 117.4
  TOP w0.102: U15.K8 89.1,66.33 89.1,65.01
  TOP w0.127: v4(54.86,118.11) 55.58,117.4 CN10.2 ; v3(87.58,59.08) 87.58,59.11 87.93,59.46 87.93,62.79 89.1,63.96 89.1,65.01
  L4_SIG w0.102: v3(87.58,59.08) 87.48,59.18 66.27,59.18 55.04,70.41 55.04,80.06 51,84.1 51,112.09 53.07,117.23 53.95,118.11 v4(54.86,118.11)
  BOTTOM w0.127: v4(54.86,118.11) 61.76,132.68 63.2,134.11 R258.1
PH6: length 175.2
  TOP w0.127: v3(73.21,132.89) U4.P13 ; CN5.37 42.55,133.1 43.61,132.03 v1(43.61,131.8) ; v1(124.61,157.1) 124.61,155.68 123.83,154.89 v1(123.83,140.84)